# KiCad board nvme Carrier all M2.kicad_pcb (continued)
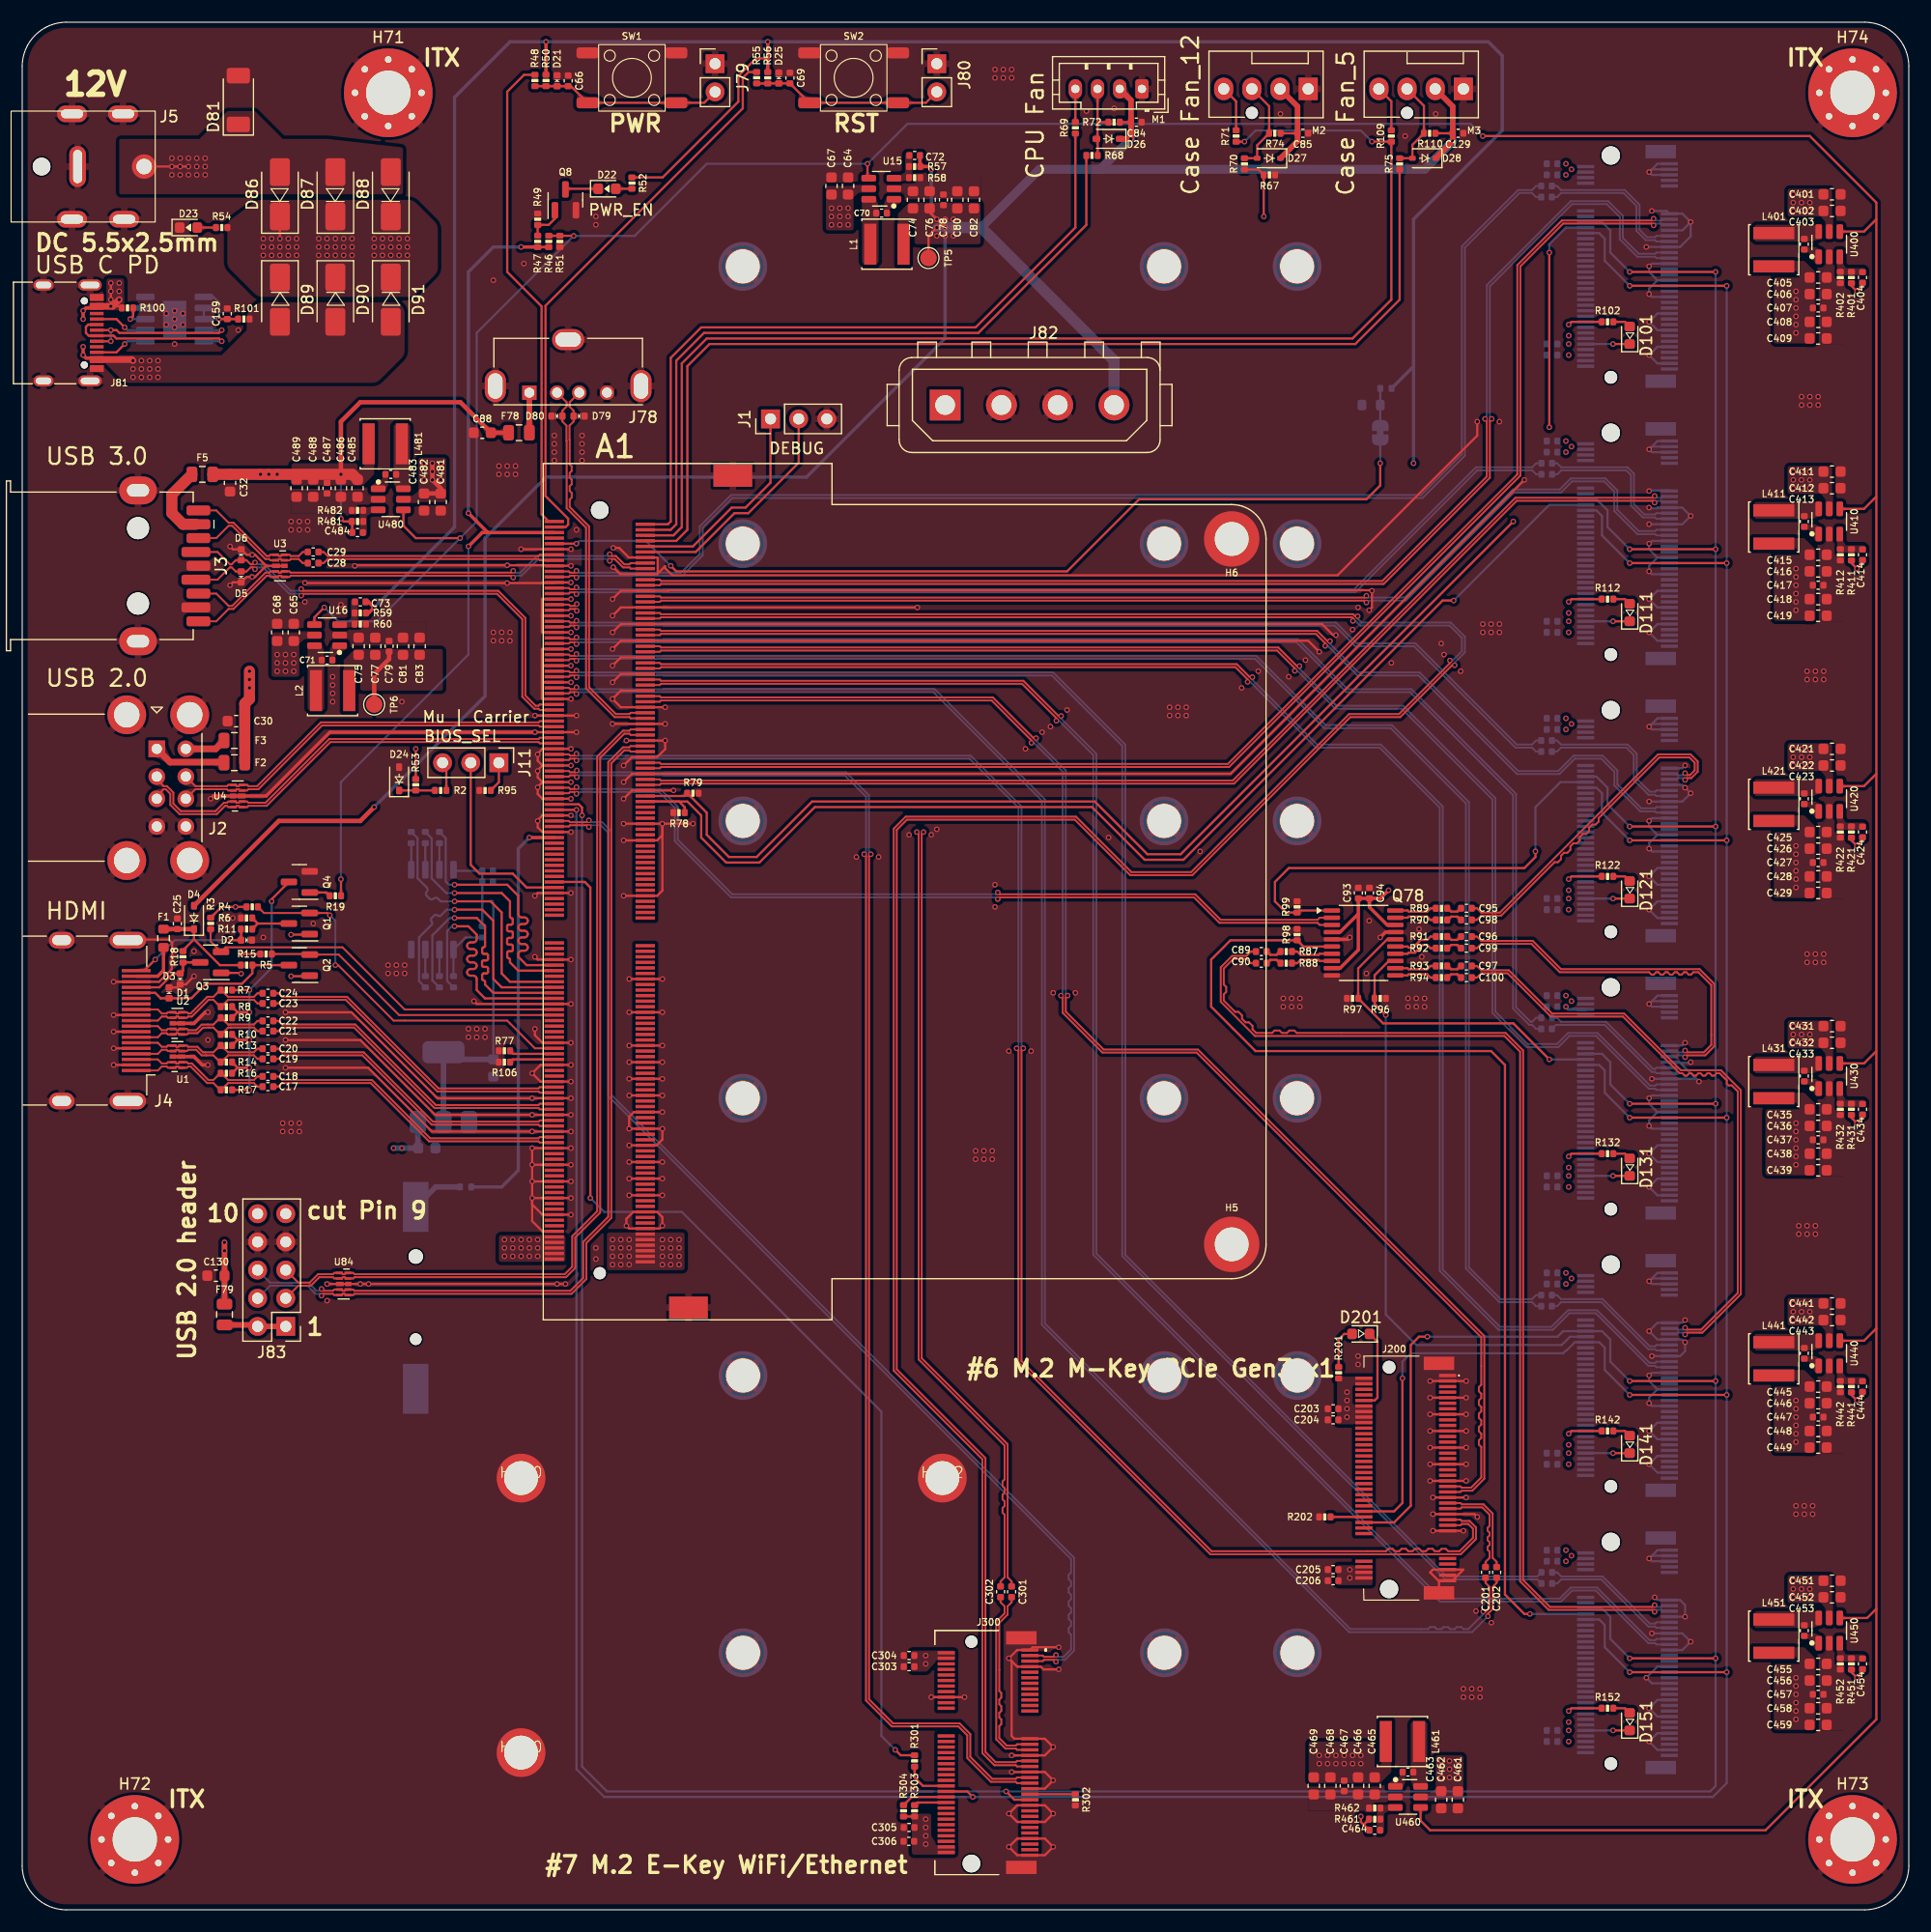
[diagram p0: board, top side]
## Routing (per net, layer and track width the routed paths; a pad name or vN(x,y) marks a point on that pad's centre or on a via; arc(x,y) is an arc through that point) (continued)
/USB/CON_USB3_SSRX_N: length 43.4
  Top w0.171: v1(53,121.62) 53.16,121.79 53.44,121.79 54.19,121.04 54.77,121.04 54.89,120.93 A1.18 ; J3.5 17.51,116.18 18.62,117.29 19.06,117.29 22.06,120.29 22.28,120.29 22.39,120.18 U3.5 23.05,120.18 23.16,120.29 23.34,120.29 23.45,120.18 U3.6 24.11,120.18 24.22,120.29 44.13,120.29 v1(44.29,120.12)
  Bottom w0.171: v1(53,121.62) 52.84,121.79 46.56,121.79 45.06,120.29 44.46,120.29 v1(44.29,120.12)
/USB/CON_USB3_SSRX_P: length 43.4
  Top w0.171: J3.6 17.51,118.68 18.62,117.56 18.94,117.56 21.94,120.56 22.28,120.56 22.39,120.68 U3.4 23.05,120.68 23.16,120.56 23.34,120.56 23.45,120.68 U3.7 24.11,120.68 24.22,120.56 44.13,120.56 v1(44.29,120.73) ; A1.16 54.89,121.43 54.77,121.31 54.31,121.31 53.56,122.06 53.16,122.06 v1(53,122.23)
  Bottom w0.171: v1(44.29,120.73) 44.46,120.56 44.94,120.56 46.44,122.06 52.84,122.06 v1(53,122.23)
/USB/CON_USB3_SSTX_N: length 11.9
  Top w0.171: C28.2 25.3,121.43 24.94,121.79 24.22,121.79 24.11,121.68 U3.9 23.45,121.68 23.34,121.79 23.16,121.79 23.05,121.68 U3.2 22.39,121.68 22.28,121.79 21.94,121.79 18.94,124.79 18.62,124.79 17.51,123.68 J3.8
/USB/CON_USB3_SSTX_P: length 11.9
  Top w0.171: C29.2 25.3,122.43 24.94,122.06 24.22,122.06 24.11,122.18 U3.10 23.45,122.18 23.34,122.06 23.16,122.06 23.05,122.18 U3.1 22.39,122.18 22.28,122.06 22.06,122.06 19.06,125.06 18.62,125.06 17.51,126.18 J3.9
/USB/CON_USB5_D_N: length 79.4
  Top w0.171: A1.78 54.89,105.93 54.77,106.04 54.31,106.04 52.14,103.87 52.14,62.87 49.89,60.62 49.89,57.87 49.06,57.04 29.97,57.04 29.86,56.93 U84.9 29.2,56.93 29.09,57.04 28.91,57.04 28.8,56.93 U84.2 28.14,56.93 28.03,57.04 26.81,57.04 26.04,56.27 24.91,56.27 J83.3
/USB/CON_USB5_D_P: length 79.4
  Top w0.171: A1.76 54.89,106.43 54.77,106.31 54.19,106.31 51.86,103.98 51.86,62.98 49.61,60.73 49.61,57.98 48.94,57.31 29.97,57.31 29.86,57.43 U84.10 29.2,57.43 29.09,57.31 28.91,57.31 28.8,57.43 U84.1 28.14,57.43 28.03,57.31 26.69,57.31 25.93,56.55 24.91,56.55 J83.5
/USB/CON_USB6_D_N: length 82.3
  Top w0.171: A1.84 54.89,104.43 54.77,104.54 54.31,104.54 53.14,103.37 53.14,62.37 50.89,60.12 50.89,56.87 49.56,55.54 29.97,55.54 29.86,55.43 U84.6 29.2,55.43 29.09,55.54 28.91,55.54 28.8,55.43 U84.5 28.14,55.43 28.03,55.54 27.16,55.54 v1(27,55.37)
  Bottom w0.171: J83.4 22.37,56.27 25.71,56.27 26.44,55.54 26.84,55.54 v1(27,55.37)
/USB/CON_USB6_D_P: length 82.3
  Top w0.171: v1(27,55.98) 27.16,55.81 28.03,55.81 28.14,55.93 U84.4 28.8,55.93 28.91,55.81 29.09,55.81 29.2,55.93 U84.7 29.86,55.93 29.97,55.81 49.44,55.81 50.61,56.98 50.61,60.23 52.86,62.48 52.86,103.48 54.19,104.81 54.77,104.81 54.89,104.93 A1.82
  Bottom w0.171: J83.6 22.37,56.55 25.82,56.55 26.56,55.81 26.84,55.81 v1(27,55.98)
/~{PLT_RST}: length 460.1
  Top w0.2: v1(85.75,10.18) 85.25,10.68 J300.52 ; J200.50 123.75,35.93 124.5,36.68 v1(124.5,47.93) ; v1(145,96.43) v1(153.75,96.43) ; v1(145,121.43) v1(153.75,121.43) ; v1(145,21.43) v1(153.75,21.43) ; v1(145,46.43) v1(153.75,46.43) ; v1(145,146.43) v1(153.75,146.43) ; A1.105 v1(50,99.18) ; v1(145,71.43) v1(153.75,71.43)
  Bottom w0.2: J100.50 142.25,151.18 142.75,150.68 142.75,148.68 v1(145,146.43) ; v1(153.75,146.43) v1(153.75,21.43) 153.75,11.43 152.5,10.18 v1(85.75,10.18) 52.5,10.18 50,12.68 v1(50,99.18) ; v1(145,46.43) 142.75,48.68 142.75,50.68 142.25,51.18 J140.50 140.05,51.18 139.3,50.43 139.25,50.43 139,50.18 125.25,50.18 124.5,49.43 v1(124.5,47.93) ; v1(145,71.43) 142.75,73.68 142.75,75.68 142.25,76.18 J130.50 ; J110.50 142,126.18 142.5,125.68 142.5,123.93 v1(145,121.43) ; J120.50 142,101.18 142.5,100.68 142.5,98.93 v1(145,96.43) ; J150.50 142.25,26.18 142.75,25.68 142.75,23.68 v1(145,21.43)
/~{PWR_LED}/~{PSON}: length 76.9
  Top w0.2: v1(28.75,92.93) 28.76,92.92 R19.1 ; R47.1 R46.1
  Top w0.3: v1(45,149.93) 46.49,149.93 R47.1 ; 42,124.18 v1(40.25,125.93) ; 42,124.18 41.5,124.18 v1(40.25,122.93) ; 42,124.18 A1.5
  Bottom w0.2: v1(28.75,92.93) 28.75,101.68 40.25,113.18 v1(40.25,122.93)
  Bottom w0.3: v1(40.25,125.93) 40.25,147.68 42.5,149.93 v1(45,149.93)
/~{WAKE}: length 455
  Top w0.2: v1(126.75,51.68) 126,51.68 125.25,50.93 125.25,36.43 123.75,34.93 J200.54 ; v1(152.75,72.68) v1(145,72.68) ; v1(152.75,147.68) v1(145,147.68) ; v1(88.75,10.68) 89.5,9.93 J300.55 ; v1(50.5,98.68) 50.5,99.38 50.21,99.68 A1.103 ; v1(152.75,122.68) v1(145,122.68) ; v1(152.75,47.68) v1(145,47.68) ; v1(152.75,97.68) v1(145,97.68) ; v1(152.75,22.68) v1(145,22.68)
  Bottom w0.2: v1(145,147.68) 143.25,149.43 143.25,151.43 142.5,152.18 J100.54 ; v1(145,47.68) 143.25,49.43 143.25,51.43 142.5,52.18 J140.54 139,52.18 138.5,51.68 v1(126.75,51.68) ; v1(145,97.68) 143,99.68 143,101.18 142,102.18 J120.54 ; v1(145,122.68) 143,124.68 143,126.18 142,127.18 J110.54 ; v1(145,22.68) 143.25,24.43 143.25,26.43 142.5,27.18 J150.54 ; v1(145,72.68) 143.25,74.43 143.25,76.43 142.5,77.18 J130.54 ; v1(152.75,147.68) v1(152.75,22.68) 152.75,11.18 152.25,10.68 v1(88.75,10.68) 52.75,10.68 50.5,12.93 v1(50.5,98.68)
VDC: length 13.9
  Top w0.2: D86.1 v1(23.25,150.68) ; R53.1 v1(35.5,104.68)
  Top w0.4: C482.2 C481.2 37.75,128.18 v1(37,128.93) v1(37,129.68) v1(37,130.43)
  Bottom w0.5: U78.3 35.7,68.7 35.73,68.68 v1(33.5,68.68)
  vias: v1(21.75,150.68) v1(21.75,149.93) v1(21.75,149.18) v1(22.5,150.68) v1(22.5,149.93) v1(22.5,149.18) v1(23,113.18) v1(23,112.43) v1(23,111.68) v1(23.25,149.93) v1(23.25,149.18) v1(23.75,113.18) v1(23.75,112.43) v1(23.75,111.68) v1(24,150.68) v1(24,149.93) v1(24,149.18) v1(24.5,113.18) v1(24.5,112.43) v1(24.5,111.68) v1(24.75,150.68) v1(24.75,149.93) v1(24.75,149.18) v1(26.75,150.68) v1(26.75,149.93) v1(26.75,149.18) v1(27.5,150.68) v1(27.5,149.93) v1(27.5,149.18) v1(28.25,150.68) v1(28.25,149.93) v1(28.25,149.18) v1(29,150.68) v1(29,149.93) v1(29,149.18) v1(29.75,150.68) v1(29.75,149.93) v1(29.75,149.18) v1(31.75,150.68) v1(31.75,149.93) v1(31.75,149.18) v1(32.5,150.68) v1(32.5,149.93) v1(32.5,149.18) v1(33.25,150.68) v1(33.25,149.93) v1(33.25,149.18) v1(34,150.68) v1(34,149.93) v1(34,149.18) v1(34.25,68.68) v1(34.75,150.68) v1(34.75,149.93) v1(34.75,149.18) v1(36.25,130.43) v1(36.25,129.68) v1(36.25,128.93) v1(37.75,130.43) v1(37.75,129.68) v1(37.75,128.93) v1(43.5,60.43) v1(43.5,59.68) v1(43.5,58.93) v1(44.25,60.43) v1(44.25,59.68) v1(44.25,58.93) v1(45,60.43) v1(45,59.68) v1(45,58.93) v1(45.75,60.43) v1(45.75,59.68) v1(45.75,58.93) v1(46.5,60.43) v1(46.5,59.68) v1(46.5,58.93) v1(53.25,60.43) v1(53.25,59.68) v1(53.25,58.93) v1(53.25,58.18) v1(54,60.43) v1(54,59.68) v1(54,58.93) v1(54,58.18) v1(54.75,60.43) v1(54.75,59.68) v1(54.75,58.93) v1(54.75,58.18) v1(57.75,60.43) v1(57.75,59.68) v1(57.75,58.93) v1(57.75,58.18) v1(58.5,60.43) v1(58.5,59.68) v1(58.5,58.93) v1(58.5,58.18) v1(59.25,60.43) v1(59.25,59.68) v1(59.25,58.93) v1(59.25,58.18) v1(73,153.43) v1(73,152.68) v1(73,151.93) v1(73.75,153.43) v1(73.75,152.68) v1(73.75,151.93) v1(74.5,153.43) v1(74.5,152.68) v1(74.5,151.93) v1(128,13.43) v1(128,12.68) v1(128,11.93) v1(128.75,13.43) v1(128.75,12.68) v1(128.75,11.93) v1(129.5,13.43) v1(129.5,12.68) v1(129.5,11.93) v1(159.75,154.68) v1(159.75,153.93) v1(159.75,153.18) v1(159.75,129.68) v1(159.75,128.93) v1(159.75,128.18) v1(159.75,104.68) v1(159.75,103.93) v1(159.75,103.18) v1(159.75,79.68) v1(159.75,78.93) v1(159.75,78.18) v1(159.75,54.68) v1(159.75,53.93) v1(159.75,53.18) v1(159.75,29.68) v1(159.75,28.93) v1(159.75,28.18) v1(160.5,154.68) v1(160.5,153.93) v1(160.5,153.18) v1(160.5,129.68) v1(160.5,128.93) v1(160.5,128.18) v1(160.5,104.68) v1(160.5,103.93) v1(160.5,103.18) v1(160.5,79.68) v1(160.5,78.93) v1(160.5,78.18) v1(160.5,54.68) v1(160.5,53.93) v1(160.5,53.18) v1(160.5,29.68) v1(160.5,28.93) v1(160.5,28.18) v1(161.25,154.68) v1(161.25,153.93) v1(161.25,153.18) v1(161.25,129.68) v1(161.25,128.93) v1(161.25,128.18) v1(161.25,104.68) v1(161.25,103.93) v1(161.25,103.18) v1(161.25,79.68) v1(161.25,78.93) v1(161.25,78.18) v1(161.25,54.68) v1(161.25,53.93) v1(161.25,53.18) v1(161.25,29.68) v1(161.25,28.93) v1(161.25,28.18)
VPullup: length 3.2
  Top w0.2: D24.1 R2.2
Net-(A1-SIO_UART_RX): length 21.1
  Top w0.2: A1.12 60.75,122.43 64.25,125.93 65.5,125.93 70.04,130.47 J1.2
Net-(A1-SIO_UART_TX): length 19.4
  Top w0.2: A1.10 60.5,122.93 64,126.43 65.25,126.43 67.5,128.68 J1.1
Net-(A1-TCP1_HPD): length 4.1
  Top w0.2: R77.1 44.29,77.18 A1.185
Net-(A1-~{BIOS_SEL}): length 17.6
  Top w0.2: A1.133 45.5,92.18 44.25,93.43 41.25,93.43 40.46,94.22 J11.2
Net-(BT1-+): length 4.7
  Bottom w0.5: R1.2 37.3,65.18 BT1.1
Net-(D21-A2): length 17.3
  Top w0.2: J79.2 61.51,162.93 SW1.1 SW1.1 49.5,164.43 C66.1 D21.2 R50.1 R48.1
Net-(D22-A): length 1.5
  Top w0.2: R52.1 D22.2
Net-(D22-K): length 3
  Top w0.2: Q8.3 49.06,155.18 D22.1
Net-(D23-A): length 1.7
  Top w0.2: R54.2 D23.2
Net-(D25-A2): length 17.4
  Top w0.2: J80.2 81.51,162.93 SW2.1 SW2.1 C69.1 D25.2 67.26,164.68 R56.1 66.26,164.67 R55.1
Net-(D26-A): length 7.1
  Top w0.2: R72.2 97,161.18 ; 97,161.18 M1.3 ; 97,161.18 97,159.78 D26.2 97.01,159.57 R68.1 97,158.19
Net-(D27-A): length 8.5
  Top w0.2: M2.3 112.48,162.62 R74.2 111.4,159.1 D27.2 R70.2
Net-(D28-A): length 8.5
  Top w0.2: M3.3 126.44,162.66 R110.2 125.4,159.14 D28.2 R75.2
Net-(D78-K): length 7.6
  Bottom w0.2: R80.1 C86.1 39.01,93.68 U79.8
Net-(D101-A): length 1.7
  Top w0.2: D101.2 144.57,143.18 R102.1
Net-(D101-K): length 4
  Top w0.2: v1(143.5,141.18) D101.1
  Bottom w0.2: J100.10 v1(143.5,141.18)
Net-(D111-A): length 1.7
  Top w0.2: D111.2 144.57,118.18 R112.1
Net-(D111-K): length 4
  Top w0.2: v1(143.5,116.18) D111.1
  Bottom w0.2: J110.10 v1(143.5,116.18)
Net-(D121-A): length 1.7
  Top w0.2: D121.2 144.57,93.18 R122.1
Net-(D121-K): length 4
  Top w0.2: v1(143.5,91.18) D121.1
  Bottom w0.2: J120.10 v1(143.5,91.18)
Net-(D131-A): length 1.7
  Top w0.2: D131.2 144.57,68.18 R132.1
Net-(D131-K): length 4
  Top w0.2: v1(143.5,66.18) D131.1
  Bottom w0.2: J130.10 v1(143.5,66.18)
Net-(D141-A): length 1.7
  Top w0.2: D141.2 144.57,43.18 R142.1
Net-(D141-K): length 4
  Top w0.2: v1(143.5,41.18) D141.1
  Bottom w0.2: J140.10 v1(143.5,41.18)
Net-(D151-A): length 1.7
  Top w0.2: R152.1 144.57,18.18 D151.2
Net-(D151-K): length 4
  Top w0.2: v1(143.5,16.18) D151.1
  Bottom w0.2: J150.10 v1(143.5,16.18)
Net-(D201-A): length 3.9
  Top w0.2: D201.2 119.25,51.93 118.75,51.43 R201.1
Net-(D201-K): length 7.4
  Top w0.2: J200.10 122,45.93 122.25,46.18 122.25,51.21 D201.1
Net-(F79-Pad2): length 5.6
  Top w0.5: J83.1 J83.2 21.1,52.74 F79.2
Net-(J2-VBUS1): length 6.6
  Top w0.6: J2.1 13.34,103.48 18.15,103.48 F2.2
Net-(J2-VBUS2): length 3.8
  Top w0.6: F3.2 17.45,104.68 J2.5
Net-(J3-VBUS): length 6.8
  Top w1: F5.2 13.5,127.61 13.5,125.93 14.5,124.93 J3.1
Net-(J4-+5V): length 4.8
  Top w0.3: F1.2 12.75,84.71 12.22,84.18 J4.18
Net-(J11-Pin_1): length 2.8
  Top w0.2: J11.1 43,101.67 R95.2
Net-(J11-Pin_3): length 2.6
  Top w0.2: J11.3 38.26,103.09 R2.1
Net-(J78-VBUS): length 3.6
  Top w0.5: F78.2 J78.1
Net-(J81-CC1): length 4.8
  Top w0.2: J81.A5 8.5,143.43 v1(9.25,142.68)
  Bottom w0.2: v1(9.25,142.68) 9.5,142.43 U80.7
Net-(J81-CC2): length 4.8
  Top w0.2: v1(9.25,141.18) 8.5,140.43 J81.B5
  Bottom w0.2: U80.6 9.5,141.43 v1(9.25,141.18)
Net-(J300-SUSCLK): length 4.2
  Top w0.2: R301.1 80.5,11.93 81.25,11.18 J300.50
Net-(J300-~{W_DISABLE1}): length 2.9
  Top w0.2: R303.1 80.74,9.68 J300.56
Net-(J300-~{W_DISABLE2}): length 4.2
  Top w0.2: R304.2 80.24,10.18 J300.54
Net-(JP2-B): length 3.3
  Bottom w0.2: R63.2 TH1.1 JP2.2
Net-(M1-PWM): length 3
  Top w0.2: R69.2 M1.4
Net-(M2-PWM): length 4.2
  Top w0.2: R71.2 109.5,163.06 M2.4
Net-(M3-PWM): length 4.2
  Top w0.2: M3.4 123.5,163.06 R109.2
Net-(Q1-D): length 4.2
  Top w0.2: Q1.3 21.25,88.93 ; 21.25,88.93 R6.1 ; 21.25,88.93 R11.1
Net-(Q4-D): length 34
  Top w0.2: R14.2 19.44,75.93 v1(20.5,75.93) 19.42,75.93 R16.2 ; R8.2 19.44,80.93 v1(20.5,80.93) 19.42,80.93 R9.2 ; Q4.3 22.5,91.11 v1(22.5,90.93) ; R7.2 v1(20.5,82.93) 20.51,82.93 ; R13.2 19.42,78.43 v1(20.5,78.43) 19.44,78.43 R10.2 ; v1(20.5,73.93) 18.94,73.93 R17.2
  Bottom w0.2: v1(20.5,82.93) v1(20.5,80.93) v1(20.5,78.43) v1(20.5,75.93) v1(20.5,73.93) ; v1(20.5,82.93) 22.5,84.93 v1(22.5,90.93) ; v1(20.5,82.93) 20.51,82.93
Net-(Q4-G): length 1.9
  Top w0.2: Q4.1 27.44,91.73 R19.2
Net-(Q8-G): length 3.5
  Top w0.2: Q8.1 48.05,152.48 47.49,151.92 R49.2 R47.2
Net-(U79-CLK): length 2.4
  Bottom w0.2: 36.37,93.78 R82.2
Net-(U79-DI(IO0)): length 2.4
  Bottom w0.2: U79.5 R83.2
Net-(U79-DO(IO1)): length 2.4
  Bottom w0.2: U79.2 R84.2
Net-(U79-IO2): length 2.4
  Bottom w0.2: 36.37,86.58 R85.2
Net-(U79-IO3): length 2.4
  Bottom w0.2: U79.7 R86.2
Net-(U79-~{CS}): length 5.4
  Bottom w0.2: R81.2 U79.1 39.99,87.67 R80.2
Net-(U80-CFG2): length 7.2
  Top w0.2: R101.1 C159.2 v1(17.75,143.43)
  Bottom w0.2: U80.1 17.25,145.43 17.75,144.93 v1(17.75,143.43) U80.3 U80.2
Net-(U80-DM): length 15.8
  Top w0.2: J81.B7 5.95,142.93 5.75,142.72 5.75,142.18 6,141.93 J81.A7 8.25,141.93 8.5,141.68 17.75,141.68 v1(18,141.43)
  Bottom w0.2: U80.5 v1(18,141.43)
Net-(U80-DP): length 15.4
  Top w0.2: J81.A6 v1(8,142.43) 8.52,142.43 8.77,142.18 17.75,142.18 v1(18,142.43) ; J81.B6 v1(8,141.43)
  Bottom w0.2: U80.4 v1(18,142.43) ; v1(8,141.43) v1(8,142.43)
Net-(U80-VBUS): length 2.5
  Top w0.2: v1(9.75,143.43) 10.01,143.69 R100.1
  Bottom w0.2: U80.8 v1(9.75,143.43)
unconnected-(R67-Pad1): length 5.7
  Top w0.2: v1(112,152.68) 111.99,152.69 R67.1 111.51,156.91 R70.1

## Copper pours and planes (outline as drawn; the poured copper is in the pictures)
+3V3 on Top: 29,108.43 29.9,108.43 29.9,111.93 30.5,112.25 30.5,109.93 37.95,109.93 37.95,113.68 30,113.68 29,112.68
+3V3a on Top: 156.5,148.68 156.5,147.78 160,147.78 160.32,147.18 158,147.18 158,141.23 161.75,141.23 161.75,147.68 160.75,148.68
+3V3a on Bottom: 141.7,141.53 140,141.53 140,139.83 141.7,139.83 141.7,139.03 138.5,139.03 138.5,143.33 141.7,143.33
+3V3a on Bottom: 141.7,156.03 138.5,156.03 138.5,157.83 141.7,157.83
+3V3a on In2.PWR: 141.7,141.53 140,141.53 140,139.83 141.7,139.83 141.7,139.03 138.5,139.03 138.5,157.82 141.7,157.82
+3V3b on Top: 156.5,123.68 156.5,122.78 160,122.78 160.32,122.18 158,122.18 158,116.23 161.75,116.23 161.75,122.68 160.75,123.68
+3V3b on Bottom: 141.67,116.53 139.97,116.53 139.97,114.83 141.67,114.83 141.67,114.03 138.47,114.03 138.47,118.33 141.67,118.33
+3V3b on Bottom: 141.67,131.03 138.47,131.03 138.47,132.83 141.67,132.83
+3V3b on In2.PWR: 141.67,116.53 139.97,116.53 139.97,114.83 141.67,114.83 141.67,114.03 138.47,114.03 138.47,132.82 141.67,132.82
+3V3c on Top: 156.5,98.68 156.5,97.78 160,97.78 160.32,97.18 158,97.18 158,91.23 161.75,91.23 161.75,97.68 160.75,98.68
+3V3c on Bottom: 141.67,91.53 139.97,91.53 139.97,89.83 141.67,89.83 141.67,89.03 138.47,89.03 138.47,93.33 141.67,93.33
+3V3c on Bottom: 141.67,106.03 138.47,106.03 138.47,107.83 141.67,107.83
+3V3c on In2.PWR: 141.67,91.53 139.97,91.53 139.97,89.83 141.67,89.83 141.67,89.03 138.47,89.03 138.47,107.82 141.67,107.82
+3V3d on Top: 156.5,73.68 156.5,72.78 160,72.78 160.32,72.18 157.25,72.18 157.25,66.23 161.75,66.23 161.75,72.68 160.75,73.68
+3V3d on Bottom: 141.67,66.53 139.97,66.53 139.97,64.83 141.67,64.83 141.67,64.03 138.47,64.03 138.47,68.33 141.67,68.33
+3V3d on Bottom: 141.67,81.03 138.47,81.03 138.47,82.83 141.67,82.83
+3V3d on In2.PWR: 141.67,66.53 139.97,66.53 139.97,64.83 141.67,64.83 141.67,64.03 138.47,64.03 138.47,82.82 141.67,82.82
+3V3e on Top: 156.5,48.68 156.5,47.78 160,47.78 160.32,47.18 158,47.18 158,41.23 161.75,41.23 161.75,47.68 160.75,48.68
+3V3e on Bottom: 141.67,56.03 138.47,56.03 138.47,57.83 141.67,57.83
+3V3e on Bottom: 141.67,41.53 139.97,41.53 139.97,39.83 141.67,39.83 141.67,39.03 138.47,39.03 138.47,43.33 141.67,43.33
+3V3e on In2.PWR: 141.67,41.53 139.97,41.53 139.97,39.83 141.67,39.83 141.67,39.03 138.47,39.03 138.47,57.82 141.67,57.82
+3V3f on Top: 156.5,23.68 156.5,22.78 160,22.78 160.32,22.18 158,22.18 158,16.23 161.75,16.23 161.75,22.68 160.75,23.68
+3V3f on Bottom: 141.67,31.03 138.47,31.03 138.47,32.83 141.67,32.83
+3V3f on Bottom: 141.67,16.53 139.97,16.53 139.97,14.83 141.67,14.83 141.67,14.03 138.47,14.03 138.47,18.33 141.67,18.33
+3V3f on In2.PWR: 141.67,16.53 139.97,16.53 139.97,14.83 141.67,14.83 141.67,14.03 138.47,14.03 138.47,32.82 141.67,32.82
+3V3g on Top: 121.8,45.58 120.1,45.58 120.1,47.28 121.8,47.28 121.8,48.08 118.6,48.08 118.6,43.78 121.8,43.78
+3V3g on Top: 80.25,8.68 82,8.68 82,6.68 82.55,5.83 84.15,5.83 84.15,4.98 80.25,4.98
+3V3g on Top: 80.15,23.38 84.15,23.38 84.15,22.53 82.55,22.53 81.6,21.48 80.15,21.48
+3V3g on Top: 123.5,16.68 122.6,16.68 122.6,13.18 122,12.85 122,15.18 116.05,15.18 116.05,11.43 122.5,11.43 123.5,12.43
+3V3g on Top: 121.8,31.08 118.6,31.08 118.6,29.28 121.8,29.28
+3V3g on In2.PWR: 121.8,45.58 120.1,45.58 120.1,47.28 121.8,47.28 121.8,48.08 118.6,48.08 118.6,29.28 121.8,29.28
+3V3g on In2.PWR: 80,23.43 84.25,23.43 84.25,4.93 80,4.93
+3V3g on In2.PWR: 116.5,14.43 121.25,14.43 121.25,12.68 116.5,12.68
+5V on Top: 79,148.68 79.9,148.68 79.9,152.18 80.5,152.5 80.5,150.18 86.45,150.18 86.45,153.93 80,153.93 79,152.93
+5V on Bottom: 82,150.43 82,152.91 84.5,152.91 84.5,150.43
+5Va on Top: 31.75,133.68 30.85,133.68 30.85,130.18 30.25,129.85 30.25,130.43 24.3,130.43 24.3,128.43 30.75,128.43 31.75,129.43
+12V on Top: 18.5,162.18 16,159.68 8.75,159.68 8.75,154.68 34.35,154.68 34.35,158.9 27.5,159.68 23.5,159.68 21,162.18
+12V on In2.PWR: 8.75,154.68 8.75,159.68 17.75,159.68 17.75,154.68
+15V on Top: 6.05,140.13 8.5,140.13 8.75,140.18 18,140.18 20.25,142.43 20.25,143.93 21.25,144.93 34.5,144.93 34.5,140.18 32,137.68 9.25,137.68 7.5,139.43 6.05,139.43
+15V on Top: 6.05,144.93 6.05,144.23 9.2,144.23 9.2,147.08 7.6,147.08 7.6,144.93
+15V on In2.PWR: 7.5,147.18 7.5,144.93 5,144.43 5,139.93 7.5,139.43 9.25,137.68 12.75,137.68 12.75,140.18 10,144.93 10,147.18
GND on Top: 163.35,24.68 163.35,23.38 163.5,23.18 163.5,22.18 163.65,21.93 164.25,21.93 164.25,16.18 162.25,16.18 162.25,22.68 162.65,23.18 162.65,24.68
GND on Top: 163.35,99.68 163.35,98.38 163.5,98.18 163.5,97.18 163.65,96.93 164.25,96.93 164.25,91.18 162.25,91.18 162.25,97.68 162.65,98.18 162.65,99.68
GND on Top: 163.35,74.68 163.35,73.38 163.5,73.18 163.5,72.18 163.65,71.93 164.25,71.93 164.25,66.18 162.25,66.18 162.25,72.68 162.65,73.18 162.65,74.68
GND on Top: 32.75,126.83 31.45,126.83 31.25,126.68 30.25,126.68 30,126.53 30,125.93 24.25,125.93 24.25,127.93 30.75,127.93 31.25,127.53 32.75,127.53
GND on Top: 78,155.53 79.3,155.53 79.5,155.68 80.5,155.68 80.75,155.83 80.75,156.43 86.5,156.43 86.5,154.43 80,154.43 79.5,154.83 78,154.83
GND on Top: 163.35,149.68 163.35,148.38 163.5,148.18 163.5,147.18 163.65,146.93 164.25,146.93 164.25,141.18 162.25,141.18 162.25,147.68 162.65,148.18 162.65,149.68
GND on Top: 163.35,124.68 163.35,123.38 163.5,123.18 163.5,122.18 163.65,121.93 164.25,121.93 164.25,116.18 162.25,116.18 162.25,122.68 162.65,123.18 162.65,124.68
GND on Top: 124.5,9.83 123.2,9.83 123,9.68 122,9.68 121.75,9.53 121.75,8.93 116,8.93 116,10.93 122.5,10.93 123,10.53 124.5,10.53
GND on Top: 28,115.28 29.3,115.28 29.5,115.43 30.5,115.43 30.75,115.58 30.75,116.18 36.5,116.18 36.5,114.18 30,114.18 29.5,114.58 28,114.58
GND on Top: 163.35,49.68 163.35,48.38 163.5,48.18 163.5,47.18 163.65,46.93 164.25,46.93 164.25,41.18 162.25,41.18 162.25,47.68 162.65,48.18 162.65,49.68
GND on Top, Bottom, In1.GND: -0.25,-0.15 170.25,-0.15 170.25,170.35 -0.25,170.35
VDC on Top: 43,60.83 43,58.43 49,58.43 49,60.83
VDC on Top: 52.75,61.08 52.75,57.68 59.75,57.68 59.75,61.08
VDC on Top: 162.25,27.68 162.65,27.18 162.65,25.68 163.35,25.68 163.35,27.43 163.25,27.93 163.25,30.18 159.25,30.18 159.25,27.68
VDC on Top: 162.25,127.68 162.65,127.18 162.65,125.68 163.35,125.68 163.35,127.43 163.25,127.93 163.25,130.18 159.25,130.18 159.25,127.68
VDC on Top: 75,154.43 75.5,154.83 77,154.83 77,155.53 75.25,155.53 74.75,155.43 72.5,155.43 72.5,151.43 75,151.43
VDC on Top: 25,114.18 25.5,114.58 27,114.58 27,115.28 25.25,115.28 24.75,115.18 22.5,115.18 22.5,111.18 25,111.18
VDC on Top: 127.5,10.93 127,10.53 125.5,10.53 125.5,9.83 127.25,9.83 127.75,9.93 130,9.93 130,13.93 127.5,13.93
VDC on Top: 162.25,152.68 162.65,152.18 162.65,150.68 163.35,150.68 163.35,152.43 163.25,152.93 163.25,155.18 159.25,155.18 159.25,152.68
VDC on Top: 162.25,52.68 162.65,52.18 162.65,50.68 163.35,50.68 163.35,52.43 163.25,52.93 163.25,55.18 159.25,55.18 159.25,52.68
VDC on Top: 35.75,127.93 35.25,127.53 33.75,127.53 33.75,126.83 35.5,126.83 36,126.93 38.25,126.93 38.25,130.93 35.75,130.93
VDC on Top: 162.25,102.68 162.65,102.18 162.65,100.68 163.35,100.68 163.35,102.43 163.25,102.93 163.25,105.18 159.25,105.18 159.25,102.68
VDC on Top: 162.25,77.68 162.65,77.18 162.65,75.68 163.35,75.68 163.35,77.43 163.25,77.93 163.25,80.18 159.25,80.18 159.25,77.68
VDC on Top, In2.PWR: 21.25,154.18 18.5,152.18 18.5,148.18 21.25,145.43 35.25,145.43 37.5,147.68 37.5,151.93 35.25,154.18
VDC on In2.PWR: -0.25,-0.15 170.25,-0.15 170.25,170.35 -0.25,170.35
Net-(U15-BOOST) on Top: 78,154.43 79.25,154.43 79.25,153.93 78.25,153.33 78.25,152.68 77.75,152.68 77.75,153.93
Net-(U15-FB) on Top: 78,155.83 78,156.43 79.25,156.43 79.65,156.68 79.65,158.43 80.3,158.43 80.3,155.83
Net-(U15-SW) on Top: 75.75,148.43 77.25,148.43 77.25,153.68 77,154.43 75.75,154.43
Net-(U16-BOOST) on Top: 28,114.18 29.25,114.18 29.25,113.68 28.25,113.08 28.25,112.43 27.75,112.43 27.75,113.68
Net-(U16-FB) on Top: 28,115.58 28,116.18 29.25,116.18 29.65,116.43 29.65,118.18 30.3,118.18 30.3,115.58
Net-(U16-SW) on Top: 25.75,108.18 27.25,108.18 27.25,113.43 27,114.18 25.75,114.18
Net-(U400-BOOST) on Top: 162.25,149.68 162.25,148.43 161.75,148.43 161.15,149.43 160.5,149.43 160.5,149.93 161.75,149.93
Net-(U400-FB) on Top: 163.65,149.68 164.25,149.68 164.25,148.43 164.5,148.03 166.25,148.03 166.25,147.38 163.65,147.38
Net-(U400-SW) on Top: 156.25,151.93 156.25,150.43 161.5,150.43 162.25,150.68 162.25,151.93
Net-(U410-BOOST) on Top: 162.25,124.68 162.25,123.43 161.75,123.43 161.15,124.43 160.5,124.43 160.5,124.93 161.75,124.93
Net-(U410-FB) on Top: 163.65,124.68 164.25,124.68 164.25,123.43 164.5,123.03 166.25,123.03 166.25,122.38 163.65,122.38
Net-(U410-SW) on Top: 156.25,126.93 156.25,125.43 161.5,125.43 162.25,125.68 162.25,126.93
Net-(U420-BOOST) on Top: 162.25,99.68 162.25,98.43 161.75,98.43 161.15,99.43 160.5,99.43 160.5,99.93 161.75,99.93
Net-(U420-FB) on Top: 163.65,99.68 164.25,99.68 164.25,98.43 164.5,98.03 166.25,98.03 166.25,97.38 163.65,97.38
Net-(U420-SW) on Top: 156.25,101.93 156.25,100.43 161.5,100.43 162.25,100.68 162.25,101.93
Net-(U430-BOOST) on Top: 162.25,74.68 162.25,73.43 161.75,73.43 161.15,74.43 160.5,74.43 160.5,74.93 161.75,74.93
Net-(U430-FB) on Top: 163.65,74.68 164.25,74.68 164.25,73.43 164.5,73.03 166.25,73.03 166.25,72.38 163.65,72.38
Net-(U430-SW) on Top: 156.25,76.93 156.25,75.43 161.5,75.43 162.25,75.68 162.25,76.93
Net-(U440-BOOST) on Top: 162.25,49.68 162.25,48.43 161.75,48.43 161.15,49.43 160.5,49.43 160.5,49.93 161.75,49.93
Net-(U440-FB) on Top: 163.65,49.68 164.25,49.68 164.25,48.43 164.5,48.03 166.25,48.03 166.25,47.38 163.65,47.38
Net-(U440-SW) on Top: 156.25,51.93 156.25,50.43 161.5,50.43 162.25,50.68 162.25,51.93
Net-(U450-BOOST) on Top: 162.25,24.68 162.25,23.43 161.75,23.43 161.15,24.43 160.5,24.43 160.5,24.93 161.75,24.93
Net-(U450-FB) on Top: 163.65,24.68 164.25,24.68 164.25,23.43 164.5,23.03 166.25,23.03 166.25,22.38 163.65,22.38
Net-(U450-SW) on Top: 156.25,26.93 156.25,25.43 161.5,25.43 162.25,25.68 162.25,26.93
Net-(U460-BOOST) on Top: 124.5,10.93 123.25,10.93 123.25,11.43 124.25,12.03 124.25,12.68 124.75,12.68 124.75,11.43
Net-(U460-FB) on Top: 124.5,9.53 124.5,8.93 123.25,8.93 122.85,8.68 122.85,6.93 122.2,6.93 122.2,9.53
Net-(U460-SW) on Top: 126.75,16.93 125.25,16.93 125.25,11.68 125.5,10.93 126.75,10.93
Net-(U480-BOOST) on Top: 32.75,127.93 31.5,127.93 31.5,128.43 32.5,129.03 32.5,129.68 33,129.68 33,128.43
Net-(U480-FB) on Top: 32.75,126.53 32.75,125.93 31.5,125.93 31.1,125.68 31.1,123.93 30.45,123.93 30.45,126.53
Net-(U480-SW) on Top: 35,133.93 33.5,133.93 33.5,128.68 33.75,127.93 35,127.93

Small or netless copper shapes (teardrops, artwork), in the pictures only: 513 on Top, 205 on Bottom

## Text on the board
B.Silkscreen: CR1220 | BIOS | #0 M.2 M-Key PCIe Gen3 x1 | #1 M.2 M-Key PCIe Gen3 x1 | #2 M.2 M-Key PCIe Gen3 x1 | #3 M.2 M-Key PCIe Gen3 x1 | #4 M.2 M-Key PCIe Gen3 x1 | #5 M.2 M-Key PCIe Gen3 x1
F.Silkscreen: Mu | Carrier | BIOS_SEL | PWR_EN | DEBUG | USB C PD | USB 3.0 | USB 2.0 | HDMI | CPU Fan | Case Fan_12 | Case Fan_5 | DC 5.5x2.5mm | ITX | 10 | cut Pin 9 | 1 | #7 M.2 E-Key WiFi/Ethernet | PWR | RST | #6 M.2 M-Key PCIe Gen3 x1 | USB 2.0 header | nvme Carrier for LattePanda Mu / by El-Luhb / https://github.com/El-Luhb/nvme-Carrier-for-LattePanda-Mu | 12V
